# Altium PCB MCU.PcbDoc (part 2 of 2)
Units mm, origin at the board's own origin, x right, y up, seen from the top; angles counter-clockwise.
Board outline 133.25 x 64.9 mm, 2 copper layers (Top Layer, Bottom Layer); 121 components, 111 nets, 596 pads, 405 vias.
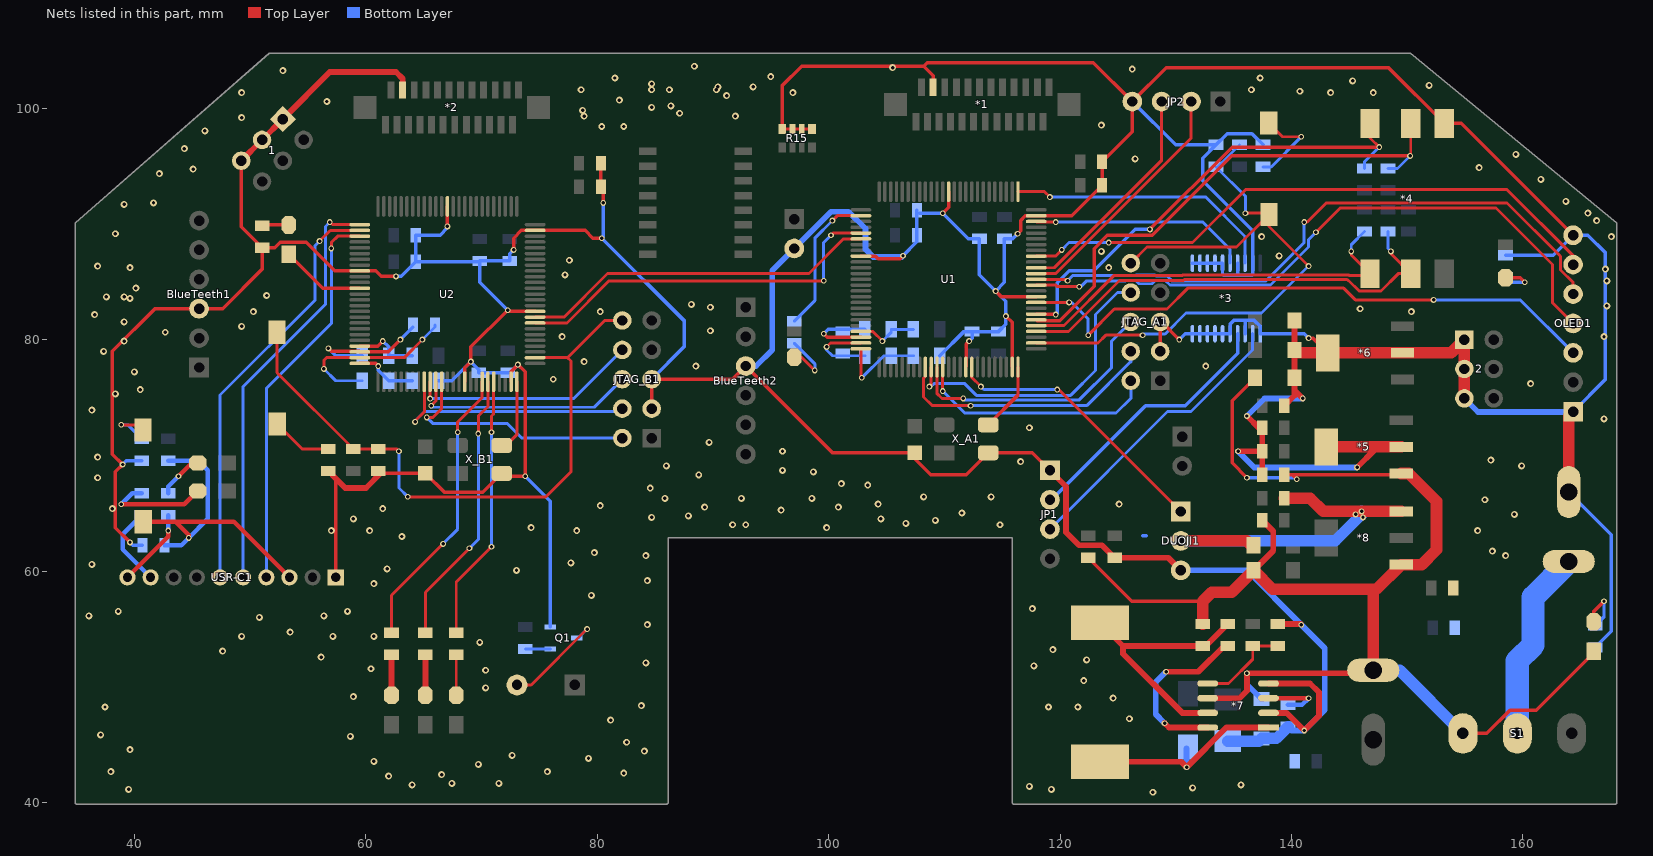
[diagram p2: the nets of this part, all layers, seen from the top]

## Via types
v1: diameter 0.6, hole 0.3, Top Layer to Bottom Layer, tented both sides, 235 vias
v2: diameter 0.5, hole 0.3, Top Layer to Bottom Layer, tented both sides, 165 vias
v3: diameter 4.5, hole 4, Top Layer to Bottom Layer, tented both sides, 3 vias
v4: diameter 1.5, hole 1.3, Top Layer to Bottom Layer, tented both sides, 2 vias

## Nets (pads, with @x,y where several pads share a name; then routed paths per layer and width w, separated by ;. In a path a pad name is that pad's centre, name@x,y a point inside that pad or via, vN(x,y) a via of type N, cw(c..) or ccw(c..) an arc to the next point about the centre after c; other vN are vias at no path point) (continued)
DGND: 1.1 1.3 1.5 2.1 2.3 2.5 *1.21 *2.21 *3.1 *3.3 *3.5 *3.6 *3.7 *3.8 *3.9 *3.10 *3.11 *3.12 *3.13 *3.14 *3.15 *3.17 *3.19 *4.4 *5.2 *6.2 *7.2 *7.4 BAT1.2 BlueTeeth1.3 BlueTeeth2.3 C2.1 C3.1 C4.1 C5.1 C6.1 C7.1 C9.1 C10.1 C12.1 C14.1 C15.1 C16.1 C17.1 C18.1 C19.1 C20.1 C21.1 C22.1 C23.2 C24.1 C25.1 C26.2 C27.1 C28.2 C29.2 C30.2 C31.2 DUOJI1.3 JP1.1 JP2.4 JP3.2 JTAG_A1.3 JTAG_A1.5 JTAG_B1.3 JTAG_B1.5 L3.1 L7.1 OLED1.1 OLED1.7 Q1.2 R1.2 R3.1 R5.1 R6.2 R8.1 R11.1 R12.1 R13.1 R14.1 R15.5 R15.6 R15.7 R15.8 R23.1 R31.1 R32.2 R33.1 R34.1 R35.1 U1.9 U1.41 U1.49 U1.60 U1.74 U1.88 U2.9 U2.41 U2.49 U2.60 U2.74 U2.88 USR-C1.1 X_A1.2 X_B1.2 | length 664.1
  Top Layer w0.3: v2(39.624,62.484) 38.342,63.766 38.342,66.013 38.354,66.025 38.354,68.58 v2(38.989,69.215) 38.1,70.104 38.1,78.994 41.783,82.677 BlueTeeth1.3@45.593,82.677 47.625,82.677 51.054,86.106 R6.2@51.054,87.95 ; 1.5@49.24,95.468 49.24,89.764 R6.2@51.054,87.95 ; USR-C1.1@57.404,59.461 57.404,68.011 ; C12.1@61.28,68.453 C14.1@65.151,68.453 66.802,66.802 70.104,66.802 X_B1.2@71.748,68.446 ; v2(62.611,85.471) 61.341,85.471 60.865,85.947 U2.9@59.481,85.947 57.309,85.947 54.848,88.408 52.593,88.408 52.135,87.95 R6.2@51.054,87.95 ; v2(67.056,89.789) U2.88@67.056,91.522 ; U2.41@68.556,76.371 68.556,77.573 v2(69.088,78.105) 69.088,79.375 v2(72.263,82.55) 72.366,82.447 U2.60@74.631,82.447 ; X_B1.2@71.75,68.446 71.997,68.199 v2(73.787,68.199) 73.787,77.216 v2(73.152,77.851) 72.556,77.255 U2.49@72.556,76.371 ; v2(72.771,87.757) 72.771,88.773 73.445,89.447 U2.74@74.631,89.447 78.955,89.447 79.629,88.773 v2(80.391,88.773) ; R13.1@80.325,95.25 R14.1@80.325,93.218 80.518,93.025 v2(80.518,91.821) ; JTAG_B1.3@84.709,74.041 JTAG_B1.5@84.709,76.581 91.694,76.581 BlueTeeth2.3@92.837,77.724 100.33,70.231 C10.1@107.442,70.231 107.442,69.723 108.839,68.326 111.889,68.326 X_A1.2@113.787,70.224 117.609,70.224 JP1.1@119.126,68.707 ; R15.5@98.562,98.209 R15.6@97.682,98.209 R15.7@96.882,98.209 R15.8@96.002,98.209 96.002,101.971 97.663,103.632 108.204,103.632 ; U1.9@102.788,87.217 104.045,87.217 104.267,86.995 106.172,86.995 v2(106.426,87.249) ; *1.21@109.034,101.83 109.034,102.802 108.204,103.632 ; v2(109.855,90.932) 110.363,91.44 U1.88@110.363,92.792 ; U1.41@111.887,77.689 111.887,79.629 v2(112.141,79.883) ; v2(114.427,84.201) 114.935,83.693 117.915,83.693 U1.60@117.938,83.717 ; v2(115.316,82.042) 115.863,81.495 U1.49@115.863,77.641 ; v2(116.332,89.154) 116.586,89.408 116.586,90.297 117.006,90.717 U1.74@117.938,90.717 121.004,90.717 R11.1@123.632,93.345 R12.1@123.632,95.377 126.238,97.983 JP2.4@126.238,100.584 ; JTAG_A1.3@128.651,78.994 JTAG_A1.5@128.651,81.534 128.778,81.534 v2(130.302,80.01) ; v2(141.478,80.137) 141.859,80.137 *6.2@143.129,78.867 ; OLED1.7@164.338,89.027 154.663,98.702 *4.4@153.187,98.702 148.384,103.505 129.159,103.505 JP2.4@126.238,100.584 ; 108.204,103.632 108.52,103.948 122.874,103.948 JP2.4@126.238,100.584
  Top Layer w0.5: 1.5@49.24,95.468 1.3@51.036,97.264 1.1@52.832,99.06 56.896,103.124 62.611,103.124 63.187,102.548 *2.21@63.187,101.576 ; R5.1@56.769,68.646 57.404,68.011 58.232,67.183 60.01,67.183 C12.1@61.28,68.453 ; JP1.1@119.126,68.707 120.523,67.31 120.523,63.355 121.64,62.238 123.629,62.238 R23.1@124.714,61.153 129.347,61.153 DUOJI1.3@130.429,60.071 ; v2(135.382,70.358) C25.1@137.48,70.358 ; v2(136.144,73.406) 137.16,72.39 C27.1@137.48,72.39 C25.1@137.48,70.358 ; C24.1@137.48,68.326 C25.1@137.48,70.358 ; *7.2@138.007,47.752 139.573,47.752 v2(141.097,46.228) 142.367,47.498 142.367,49.53 141.605,50.292 *7.4@138.007,50.292 ; R31.1@138.811,55.433 140.782,55.433 v2(140.843,55.372) ; C21.1@139.38,74.295 140.257,75.172 140.257,75.643 ; C28.2@140.257,81.661 C26.2@140.257,79.121 C23.2@140.257,76.708 140.257,75.643 ; v2(140.97,74.93) 140.257,75.643 ; v2(145.669,68.961) 147.193,70.485
  Top Layer w1: C26.2@140.511,78.867 *6.2@143.129,78.867 *6.2@149.606,78.867 153.797,78.867 2.1@154.94,80.01 2.3@154.94,77.47 2.5@154.94,74.93 ; *5.2@143.002,70.739 *5.2@149.479,70.739 ; BAT1.2@163.957,66.833 OLED1.1@163.957,73.406
  Bottom Layer w0.3: v2(38.989,69.215) 39.309,69.535 R8.1@40.64,69.535 ; v2(39.624,62.484) 39.878,62.23 C22.1@40.706,62.23 ; v2(62.611,85.471) 63.053,85.471 C20.1@64.323,86.741 ; L7.1@66.294,76.454 67.437,76.454 v2(69.088,78.105) 69.774,77.419 C16.1@69.774,77.155 C15.1@72.263,77.155 72.456,77.155 v2(73.152,77.851) ; v2(67.056,89.789) 67.056,89.662 66.421,89.027 C19.1@64.323,89.027 C20.1@64.323,86.741 ; C18.1@69.784,86.741 C20.1@64.323,86.741 ; v2(72.263,82.55) 69.85,84.963 C18.1@69.85,86.807 C17.1@72.441,86.807 72.441,87.427 v2(72.771,87.757) ; v2(73.787,68.199) 75.946,66.04 Q1.2@75.946,55.179 ; v2(80.518,91.821) 80.518,88.9 v2(80.391,88.773) 87.503,81.661 87.503,79.375 JTAG_B1.5@84.709,76.581 ; v2(106.426,87.249) 107.63,88.453 C2.1@107.63,89.027 C7.1@107.63,91.186 ; C7.1@107.884,90.932 v2(109.855,90.932) 112.075,88.712 C5.1@113.03,88.712 113.03,85.598 v2(114.427,84.201) ; L3.1@109.601,78.613 111.694,80.706 C3.1@112.395,80.706 ; v2(112.141,79.883) 112.395,80.137 C3.1@112.395,80.706 ; v2(116.332,89.154) 115.89,88.712 C6.1@115.189,88.712 115.189,84.963 v2(114.427,84.201) ; JP2.4@126.238,100.584 129.987,96.835 C9.1@133.477,96.835 ; 127.127,63.053 127.447,63.053 ; v2(130.302,80.01) 130.81,80.518 *3.10@131.437,80.518 *3.9@132.087,80.518 *3.8@132.737,80.518 *3.7@133.387,80.518 *3.6@134.037,80.518 *3.5@134.687,80.518 134.687,81.331 135.017,81.661 135.89,81.661 ; *3.11@131.437,86.618 *3.12@132.087,86.618 *3.13@132.737,86.618 *3.14@133.387,86.618 *3.15@134.037,86.618 134.037,85.673 134.124,85.586 135.481,85.586 ; *3.17@135.337,86.618 135.337,85.73 135.481,85.586 ; *3.3@135.987,80.518 135.987,81.564 135.89,81.661 ; R3.1@137.541,96.835 136.586,97.79 134.432,97.79 C9.1@133.477,96.835 ; v2(141.478,80.137) 141.097,80.518 *3.1@137.287,80.518 137.287,81.153 136.779,81.661 135.89,81.661 ; R1.2@158.496,87.31 162.621,87.31 OLED1.7@164.338,89.027 165.608,89.027 167.132,87.503 167.132,76.581 OLED1.1@164.338,73.787 ; BAT1.2@163.957,66.833 167.64,63.15 167.64,54.803 R32.2@166.243,53.406 ; C3.1@112.395,80.706 C4.1@114.681,80.706 115.316,81.341 v2(115.316,82.042) 115.316,83.312 v2(114.427,84.201) ; C9.1@133.477,96.835 132.334,95.692 132.334,93.726 136.637,89.423 *3.19@136.637,86.618 136.637,85.613 136.61,85.586 135.481,85.586
  Bottom Layer w0.5: BlueTeeth2.3@92.837,77.724 93.726,77.724 95.123,79.121 95.123,85.979 JP3.2@97.028,87.884 100.203,91.059 101.727,91.059 103.188,89.599 103.188,87.82 103.859,87.149 106.326,87.149 v2(106.426,87.249) ; DUOJI1.3@130.429,60.071 136.144,60.071 v2(140.843,55.372) 142.875,53.34 142.875,48.006 v2(141.097,46.228) C30.2@140.02,46.228 ; v2(135.382,70.358) 136.779,68.961 v2(145.669,68.961) ; v2(136.144,73.406) 137.668,74.93 v2(140.97,74.93) ; 2.5@154.94,74.93 156.11,73.76 164.338,73.76 OLED1.1@164.338,73.787
  Bottom Layer w1: C29.2@134.493,45.317 C31.2@137.187,45.317 ; C31.2@137.414,45.544 138.696,45.544 C30.2@139.7,46.548
  other v1: 128.016,40.894 39.497,41.148 119.253,41.148 131.445,41.275 117.348,41.402 64.008,41.529 135.636,41.529 67.437,41.656 71.501,41.656 61.976,42.291 66.548,42.418 82.296,42.545 37.973,42.672 75.692,42.672 69.723,43.307 60.706,43.561 79.248,43.815 72.644,44.069 84.074,44.45 39.624,44.577 82.55,45.212 58.674,45.72 37.084,45.847 81.153,47.117 125.984,47.244 37.465,48.26 118.999,48.26 121.539,48.26 83.82,48.387 124.587,49.022 58.928,49.149 70.358,49.911 122.047,50.546 70.358,51.435 60.452,51.562 117.729,51.816 84.201,52.07 122.301,52.324 56.134,52.578 47.625,53.086 119.38,53.213 69.85,53.848 49.276,54.356 57.15,54.356 60.706,54.356 53.467,54.737 84.328,55.372 50.8,56.007 36.068,56.134 56.388,56.134 38.608,56.515 58.42,56.515 117.602,56.769 79.502,57.912 79.502,57.912 60.706,58.928 84.328,59.182 73.025,60.071 61.849,60.198 36.322,60.579 77.724,60.706 84.201,61.341 158.496,61.341 79.756,61.595 157.353,61.722 63.119,62.992 57.023,63.5 60.325,63.5 78.232,63.5 156.083,63.5 74.295,63.754 99.822,63.754 91.694,64.008 92.837,64.008 114.808,64.008 106.68,64.135 109.22,64.389 58.928,64.516 104.521,64.516 84.709,64.643 87.884,64.77 159.258,64.897 111.506,65.024 95.885,65.278 38.1,65.405 61.468,65.405 89.281,65.532 100.838,65.532 80.264,65.659 104.267,65.786 125.095,65.786 156.718,66.167 85.852,66.294 92.456,66.294 98.552,66.294 108.204,66.421 114.046,66.421 84.582,67.183 103.378,67.437 101.092,67.564 36.83,68.072 88.773,68.326 98.679,68.58 96.012,68.707 85.979,69.088 159.893,69.088 116.586,69.469 157.226,69.596 36.83,69.85 96.012,70.358 89.662,71.12 117.348,72.39 167.005,73.152 36.322,73.914 38.354,75.311 40.513,75.692 160.655,76.2 76.2,76.581 40.005,77.216 88.519,77.724 132.588,77.724 78.867,78.105 37.338,78.994 39.116,79.883 76.962,80.264 167.005,80.264 42.672,80.645 89.789,80.772 49.276,81.153 39.116,81.534 36.576,82.169 50.292,82.423 80.264,82.423 150.368,82.423 145.923,82.677 89.789,82.804 167.259,82.931 88.138,83.058 39.624,83.566 37.592,83.693 39.116,83.693 51.435,83.82 40.132,84.455 167.259,85.09 77.216,85.598 167.132,86.106 39.624,86.233 124.206,86.233 36.83,86.36 77.597,86.868 138.938,87.249 123.571,87.63 137.414,88.9 167.64,88.9 38.354,89.154 166.37,90.297 165.608,90.932 39.116,91.694 41.656,91.821 163.703,91.948 161.544,93.853 42.164,94.361 45.085,94.742 156.21,94.869 126.492,95.631 159.385,96.012 44.323,96.52 46.101,98.044 80.391,98.425 82.296,98.425 123.571,98.552 49.276,99.187 78.867,99.314 91.948,99.314 87.122,99.568 78.74,99.822 84.709,100.076 86.36,100.203 56.642,100.584 81.915,100.711 91.186,101.092 49.276,101.346 96.901,101.346 143.383,101.346 147.066,101.346 140.716,101.473 78.613,101.6 84.709,101.6 86.233,101.6 90.297,101.6 136.525,101.6 90.424,101.854 93.472,101.854 151.892,101.981 84.709,102.108 145.288,102.362 81.534,102.616 137.287,102.616 94.996,102.743 52.832,103.251 126.238,103.378 105.537,103.505 88.392,103.632
ECM_A: JP2.2 U1.64 | length 21.4
  Top Layer w0.254: U1.64@117.938,85.717 119.626,85.717 131.318,97.409 JP2.2@131.318,100.584
ECM_B: JP2.3 U1.65 | length 19.8
  Top Layer w0.254: U1.65@117.938,86.217 119.491,86.217 128.778,95.504 JP2.3@128.778,100.584
EXTAL_A: U1.50 X_A1.3 | length 6.1
  Top Layer w0.3: X_A1.3@113.787,72.646 116.363,75.222 U1.50@116.363,77.641
EXTAL_B: U2.50 X_B1.3 | length 6.3
  Top Layer w0.254: X_B1.3@71.75,70.868 72.138,70.868 73.056,71.786 U2.50@73.056,76.371
L: *4.2 R17.2 U1.54 | length 39.7
  Top Layer w0.254: U1.54@117.938,80.717 120.722,80.717 125.126,85.121 130.65,85.121 130.739,85.21 144.808,85.21 144.897,85.121 144.934,85.121 145.85,84.205 147.724,84.205 149.221,85.702 *4.2@150.307,85.702 148.59,87.419 v2(148.59,87.63)
  Bottom Layer w0.254: R17.2@148.336,89.347 148.336,87.884 v2(148.59,87.63)
LED_1: R24.2 U1.2 | length 12.7
  Top Layer w0.254: v2(100.33,90.297) 100.75,90.717 U1.2@102.788,90.717
  Bottom Layer w0.254: R24.2@97.028,81.595 98.806,83.373 98.806,88.773 v2(100.33,90.297)
LED_4: R25.2 U2.44 | length 24.9
  Top Layer w0.254: R25.2@62.23,54.671 62.23,57.912 v2(66.675,62.357) ; v2(67.945,72.009) 67.945,72.898 70.056,75.009 U2.44@70.056,76.371
  Bottom Layer w0.254: v2(66.675,62.357) 67.945,63.627 v2(67.945,72.009)
LED_5: R26.2 U2.45 | length 23.9
  Top Layer w0.254: R26.2@65.151,54.671 65.151,58.166 v2(68.961,61.976) ; v2(69.723,71.882) 69.723,73.406 70.556,74.239 U2.45@70.556,76.371
  Bottom Layer w0.254: v2(68.961,61.976) 69.723,62.738 v2(69.723,71.882)
LED_6: R27.2 U2.46 | length 23
  Top Layer w0.254: R27.2@67.818,54.671 67.818,59.055 v2(70.866,62.103) ; v2(70.866,72.009) 70.866,73.406 71.056,73.596 U2.46@71.056,76.371
  Bottom Layer w0.254: v2(70.866,62.103) v2(70.866,72.009)
M: *4.6 R20.2 U1.57 | length 42
  Top Layer w0.254: *4.6@146.787,98.702 146.787,97.434 v2(147.574,96.647)
  Top Layer w0.3: U1.57@117.938,82.217 119.586,82.217 v2(119.634,82.169) ; v2(127.762,89.535) 134.874,96.647 v2(147.574,96.647)
  Bottom Layer w0.254: R20.2@146.304,94.803 146.304,95.377 v2(147.574,96.647)
  Bottom Layer w0.3: v2(119.634,82.169) 119.749,82.284 119.749,84.924 120.789,85.964 122.921,85.964 126.492,89.535 v2(127.762,89.535)
MOTOR1_IN1: *3.2 JP1.3 | length 25.3
  Bottom Layer w0.254: JP1.3@119.126,63.627 129.286,73.787 131.318,73.787 136.637,79.106 *3.2@136.637,80.518
MOTOR1_IN2: *3.4 JP1.2 | length 23.2
  Bottom Layer w0.3: JP1.2@119.126,66.04 127.381,74.295 130.81,74.295 135.337,78.822 *3.4@135.337,80.518
Net*7_1: *7.1 D1.1 L9.2 | length 17.8
  Top Layer w0.508: L9.2@123.444,43.53 130.46,43.53 v2(130.937,43.053) 134.366,46.482 *7.1@138.007,46.482
  Bottom Layer w0.508: v2(130.937,43.053) D1.1@130.937,44.676
Net*7_3: *7.3 C30.1 | length 5.5
  Top Layer w0.4: *7.3@138.007,49.022 v2(141.478,49.022)
  Bottom Layer w0.4: C30.1@139.7,48.448 140.904,48.448 v2(141.478,49.022)
Net*7_5: *7.5 R30.2 R31.2 | length 8.1
  Top Layer w0.254: *7.5@132.757,50.292 134.552,50.292 136.652,52.392 R30.2@136.652,53.533 R31.2@138.811,53.533
Net*7_7: *7.7 L9.1 R28.1 R29.2 | length 22.8
  Top Layer w0.5: L9.1@123.444,55.53 125.441,53.533 ; *7.7@132.757,47.752 130.556,47.752 125.441,52.867 125.441,53.533 ; R29.2@134.493,55.433 132.593,53.533 R28.1@132.334,53.533 125.441,53.533
Net*7_8: *7.8 R29.1 | length 15.3
  Top Layer w0.508: v2(129.032,46.863) 129.413,46.482 *7.8@132.757,46.482 ; v2(129.159,51.308) 131.953,51.308 134.178,53.533 R29.1@134.493,53.533
  Bottom Layer w0.508: v2(129.032,46.863) 128.27,47.625 128.27,50.419 v2(129.159,51.308)
NetB1_2: B1.2 Q1.3 | length 9.1
  Top Layer w0.254: B1.2@73.065,50.165 74.295,50.165 v2(79.121,54.991)
  Bottom Layer w0.254: Q1.3@78.359,54.229 v2(79.121,54.991)
NetBAT1_1: BAT1.1 S1.2 | length 16.7
  Bottom Layer w2: S1.2@159.512,45.974 159.512,52.246 160.87,53.604 160.87,57.746 BAT1.1@163.957,60.833
NetLED1_2: LED1.2 R1.1 | length 3.6
  Top Layer w0.3: LED1.2@158.496,85.344 159.766,85.344 v2(160.147,84.963)
  Bottom Layer w0.3: R1.1@158.496,85.41 158.943,84.963 v2(160.147,84.963)
NetLED2_2: LED2.2 R9.1 | length 9.2
  Top Layer w0.381: v2(38.862,65.786) 44.323,65.786 LED2.2@45.466,66.929
  Bottom Layer w0.381: v2(38.862,65.786) 39.812,66.736 R9.1@40.64,66.736
NetLED3_2: LED3.2 R10.1 | length 4
  Top Layer w0.381: v2(43.815,68.199) 44.958,69.342 LED3.2@45.466,69.342
  Bottom Layer w0.381: R10.1@42.926,66.736 42.926,67.31 v2(43.815,68.199)
NetLED4_2: LED4.2 R24.1 | length 5.3
  Top Layer w0.254: LED4.2@97.028,78.486 97.663,78.486 v2(98.806,77.343)
  Bottom Layer w0.254: R24.1@97.028,79.695 98.806,77.917 v2(98.806,77.343)
NetLED5_2: LED5.2 R25.1 | length 3.5
  Top Layer w0.508: LED5.2@62.23,49.276 R25.1@62.23,52.771
NetLED6_2: LED6.2 R26.1 | length 3.5
  Top Layer w0.508: LED6.2@65.151,49.276 R26.1@65.151,52.771
NetLED7_2: LED7.2 R27.1 | length 3.5
  Top Layer w0.254: LED7.2@67.818,49.276 R27.1@67.818,52.771
NetLED8_2: LED8.2 R32.1 | length 4.6
  Top Layer w0.3: LED8.2@166.116,55.626 166.116,56.515 v2(167.005,57.404)
  Bottom Layer w0.3: R32.1@166.243,55.306 167.005,56.068 v2(167.005,57.404)
NetPD1_K: PD1.2 R6.1 | length 2.2
  Top Layer w0.3: R6.1@51.12,89.916 PD1.2@53.34,89.916
NetQ1_1: Q1.1 R22.2 | length 2.2
  Bottom Layer w0.254: R22.2@73.787,53.279 Q1.1@75.946,53.279
NetR3_2: R3.2 SW1.1 | length 7.7
  Top Layer w0.254: SW1.1@138.029,98.738 139.231,97.536 v2(140.843,97.536)
  Bottom Layer w0.254: R3.2@137.541,94.935 138.242,94.935 v2(140.843,97.536)
NetR5_2: R5.2 SW2.1 | length 5.3
  Top Layer w0.254: SW2.1@52.344,72.712 54.51,70.546 R5.2@56.769,70.546
NetR8_2: R8.2 SW3.1 | length 3.7
  Top Layer w0.254: v2(38.862,72.644) SW3.1@40.298,72.644
  Bottom Layer w0.254: v2(38.862,72.644) 39.431,72.644 R8.2@40.64,71.435
OLED_D1: OLED1.4 U1.62 | length 56.3
  Top Layer w0.254: U1.62@117.938,84.717 119.626,84.717 119.761,84.582 v2(121.666,84.582) ; v2(142.113,89.281) 144.208,91.376 157.671,91.376 162.56,86.487 162.56,83.185 OLED1.4@164.338,81.407
  Bottom Layer w0.254: v2(121.666,84.582) 121.793,84.582 122.301,85.09 125.646,85.09 125.677,85.121 126.545,85.121 126.83,84.836 127.932,84.836 128.217,85.121 129.085,85.121 129.49,84.716 138.183,84.716 141.471,88.004 141.471,88.639 v2(142.113,89.281)
OLED_D2: OLED1.3 U1.59 | length 52.4
  Top Layer w0.254: U1.59@117.938,83.217 v2(120.777,83.217) ; v2(122.428,80.391) 124.69,82.653 129.24,82.653 131.042,84.455 144.505,84.455 145.514,83.446 152.266,83.446 v2(152.273,83.439)
  Bottom Layer w0.254: v2(120.777,83.217) 120.999,83.217 122.428,81.788 v2(122.428,80.391) ; v2(152.273,83.439) 159.766,83.439 OLED1.3@164.338,78.867
OLED_DC: OLED1.6 U1.67 | length 51.9
  Top Layer w0.254: U1.67@117.938,87.217 119.602,87.217 v2(120.142,87.757) ; v2(124.206,88.392) 131.445,88.392 136.017,92.964 158.623,92.964 164.338,87.249 OLED1.6@164.338,86.487
  Bottom Layer w0.254: v2(120.142,87.757) 120.777,88.392 v2(124.206,88.392)
OLED_RST: OLED1.5 U1.63 | length 55.2
  Top Layer w0.254: U1.63@117.938,85.217 120.523,85.217 v2(120.65,85.09) ; v2(141.097,90.17) 141.351,90.17 143.002,91.821 158.623,91.821 163.241,87.203 163.241,86.033 164.338,84.936 OLED1.5@164.338,83.947
  Bottom Layer w0.254: v2(120.65,85.09) 121.127,85.567 126.545,85.567 126.576,85.598 128.186,85.598 128.289,85.495 129.24,85.495 129.645,85.09 137.795,85.09 141.097,88.392 v2(141.097,90.17)
PWM1_1: *3.18 U1.76 | length 23.5
  Top Layer w0.254: U1.76@116.363,92.792 118.663,92.792 v2(119.126,92.329)
  Bottom Layer w0.254: v2(119.126,92.329) 132.588,92.329 135.987,88.93 *3.18@135.987,86.618
PWM1_2: *3.16 U1.73 | length 18.9
  Top Layer w0.254: U1.73@117.985,90.17 v2(119.634,90.17)
  Bottom Layer w0.254: v2(119.634,90.17) 132.334,90.17 134.687,87.817 *3.16@134.687,86.618
R: *4.5 R19.2 U1.56 | length 45.2
  Top Layer w0.254: v2(150.241,95.885) 150.307,95.951 *4.5@150.307,98.702
  Top Layer w0.3: U1.56@118.006,81.649 119.976,81.649 122.936,84.609 122.936,87.857 124.094,89.015 127.977,89.015 134.847,95.885 v2(150.241,95.885)
  Bottom Layer w0.254: R19.2@148.336,94.803 149.159,94.803 v2(150.241,95.885)
RESET_B_1: C9.2 JTAG_A1.10 R2.1 SW1.2 U1.52 | length 55.6
  Top Layer w0.254: U1.52@117.938,79.717 123.278,79.717 123.952,80.391 v2(127.127,80.391) ; JTAG_A1.10@126.111,86.614 127.508,88.011 135.255,88.011 SW1.2@138.049,90.805 138.049,89.789 v2(141.478,86.36) ; v2(136.017,90.932) SW1.2@137.922,90.932
  Bottom Layer w0.254: v2(127.127,80.391) 127.223,80.487 129.085,80.487 130.894,82.296 137.414,82.296 v2(141.478,86.36) ; R2.1@135.509,96.835 133.609,94.935 C9.2@133.477,94.935 136.017,92.395 v2(136.017,90.932)
RESET_B_2: C12.2 JTAG_B1.10 R4.1 SW2.2 U2.52 | length 55
  Top Layer w0.254: SW2.2@52.324,80.645 52.324,77.15 R4.1@58.928,70.546 C12.2@61.087,70.546 62.677,70.546 v2(62.865,70.358) ; v2(63.627,66.421) 63.643,66.405 75.549,66.405 77.724,68.58 77.724,78.154 77.431,78.447 ; U2.52@74.631,78.447 77.431,78.447 ; JTAG_B1.10@82.169,81.661 80.645,81.661 77.431,78.447
  Bottom Layer w0.254: v2(62.865,70.358) 62.865,67.183 v2(63.627,66.421)
STEER_5V: *8.3 C34.2 C35.1 DUOJI1.2 | length 33.9
  Top Layer w0.5: C35.1@136.525,62.23 C35.1@136.73,62.23
  Top Layer w1: DUOJI1.2@130.429,62.611 136.144,62.611 C35.1@136.525,62.23 ; C34.2@139.38,66.294 141.605,66.294 142.734,65.165 *8.3@149.479,65.165
  Bottom Layer w1: DUOJI1.2@130.429,62.611 143.764,62.611 146.05,64.897 v2(146.05,65.165)
  other v2: 146.177,64.643 145.542,64.897
STEERING: DUOJI1.1 U1.42 | length 23.8
  Top Layer w0.254: U1.42@112.363,77.641 112.363,76.74 v2(113.157,75.946) ; v2(119.761,75.692) 119.888,75.692 DUOJI1.1@130.429,65.151
  Bottom Layer w0.254: v2(113.157,75.946) 113.411,75.692 v2(119.761,75.692)
TCK_A: JTAG_A1.4 U1.34 | length 23.3
  Top Layer w0.254: U1.34@108.363,77.641 108.363,76.83 108.204,76.671 108.204,75.057 108.966,74.295 v2(112.268,74.295)
  Bottom Layer w0.254: v2(112.268,74.295) 122.301,74.295 126.111,78.105
  Bottom Layer w0.3: 126.111,78.105 JTAG_A1.4@126.111,78.994
TCK_B: JTAG_B1.4 U2.34 | length 22.2
  Top Layer w0.254: v2(64.262,72.898) 64.262,72.966 65.056,73.76 U2.34@65.056,76.371
  Bottom Layer w0.254: v2(64.262,72.898) 64.262,72.966 65.083,73.787 81.915,73.787 JTAG_B1.4@82.169,74.041
TDI_A: JTAG_A1.8 U1.35 | length 26.2
  Top Layer w0.254: v2(108.712,75.946) 108.863,76.097 U1.35@108.863,77.641
  Bottom Layer w0.254: v2(108.712,75.946) 108.839,75.946 109.093,76.2 111.76,76.2 112.765,75.195 120.915,75.195 123.063,77.343 123.063,82.169 124.968,84.074 JTAG_A1.8@126.111,84.074
TDI_B: JTAG_B1.8 U2.35 | length 19.9
  Top Layer w0.254: v2(65.553,74.915) 65.556,74.918 U2.35@65.556,76.371
  Bottom Layer w0.254: v2(65.553,74.915) 65.547,74.915 65.532,74.93 77.978,74.93 JTAG_B1.8@82.169,79.121
TDO_A: JTAG_A1.6 U1.36 | length 23.4
  Top Layer w0.254: U1.36@109.347,77.625 109.347,75.37 109.787,74.93 v2(111.633,74.93)
  Bottom Layer w0.254: v2(111.633,74.93) 111.76,74.803 121.666,74.803 124.46,77.597 124.46,79.883 JTAG_A1.6@126.111,81.534
TDO_B: JTAG_B1.6 U2.36 | length 19.9
  Top Layer w0.254: v2(65.659,74.295) 66.056,74.692 U2.36@66.056,76.371
  Bottom Layer w0.254: v2(65.659,74.295) 65.659,74.168 65.666,74.161 79.749,74.161 JTAG_B1.6@82.169,76.581
TMS_A: JTAG_A1.2 U1.37 | length 21.2
  Top Layer w0.254: v2(109.855,75.565) U1.37@109.855,77.633
  Bottom Layer w0.254: v2(109.855,75.565) 111.76,73.66 124.841,73.66 126.111,74.93 JTAG_A1.2@126.111,76.454
TMS_B: JTAG_B1.2 U2.37 | length 21.5
  Top Layer w0.254: v2(65.278,73.279) 65.786,73.279 66.556,74.049 U2.37@66.556,76.371
  Bottom Layer w0.254: v2(65.278,73.279) 65.786,72.771 72.204,72.771 73.474,71.501 JTAG_B1.2@82.169,71.501
U: *4.1 R16.2 U1.55 | length 35.6
  Top Layer w0.254: U1.55@117.938,81.217 120.333,81.217 124.683,85.567 130.567,85.567 130.584,85.584 144.963,85.584 144.98,85.567 146.787,85.567 *4.1@146.787,85.702 145.161,87.328 v2(145.161,87.63)
  Bottom Layer w0.254: v2(145.161,87.63) 145.161,88.204 R16.2@146.304,89.347
UART_RX: U1.6 U2.59 | length 31
  Top Layer w0.254: U2.59@74.631,81.947 77.121,81.947 80.899,85.725 98.298,85.725 101.29,88.717 U1.6@102.788,88.717
UART_TX: U1.5 U2.58 | length 33.3
  Top Layer w0.254: U2.58@74.631,81.447 77.383,81.447 81.026,85.09 v2(99.568,85.09) ; v2(100.203,89.027) 100.393,89.217 U1.5@102.788,89.217
  Bottom Layer w0.254: v2(99.568,85.09) 99.568,88.392 v2(100.203,89.027)
VBAT: *5.1 *7.6 *8.1 C23.1 C24.2 C31.1 C32.1 C33.2 LED8.1 MT_BAT1.1 R21.1 R28.2 S1.1 | length 122.6
  Top Layer w0.3: R21.1@122.428,61.153 126.177,57.404 132.334,57.404 ; v2(136.144,68.072) 134.862,69.354 134.862,74.713 C23.1@136.857,76.708 ; C24.2@139.38,68.326 140.081,68.326 ; v2(140.462,67.945) 140.081,68.326 ; *5.1@149.366,68.326 140.081,68.326 ; S1.1@154.812,45.974 156.862,45.974 158.882,47.994 161.151,47.994 LED8.1@166.116,52.959
  Top Layer w0.5: *7.6@132.757,49.022 135.509,49.022 136.144,49.657 v2(136.144,51.181) MT_BAT1.1@146.812,51.181 ; C32.1@136.73,60.071 138.43,61.771 138.43,63.439 C33.2@137.48,64.389
  Top Layer w1: R28.2@132.334,55.433 132.334,57.404 133.096,58.166 134.825,58.166 C32.1@136.73,60.071 138.381,58.42 147.334,58.42 *8.1@149.479,60.565 151.243,60.565 152.527,61.849 152.527,66.04 150.128,68.439 *5.1@149.479,68.439 ; MT_BAT1.1@147.066,51.435 147.066,58.152
  Bottom Layer w0.3: v2(136.144,68.072) 140.335,68.072 v2(140.462,67.945)
  Bottom Layer w0.5: v2(136.144,51.181) 136.144,50.214 C31.1@137.414,48.944
  Bottom Layer w1: 149.351,51.435 S1.1@154.812,45.974
VDDA_A: L1.2 L2.1 U1.22 | length 5.4
  Top Layer w0.254: U1.22@102.788,80.717 103.814,80.717 v2(104.648,79.883)
  Bottom Layer w0.254: v2(104.648,79.883) 105.41,80.645 L2.1@105.41,80.899 L1.2@107.315,80.899
VDDA_B: L5.2 L6.1 U2.22 | length 5.7
  Top Layer w0.3: U2.22@59.481,79.447 61.032,79.447 v2(61.468,79.883)
  Bottom Layer w0.3: v2(61.468,79.883) 61.976,79.375 L6.1@61.976,78.613 L5.2@64.008,78.613
VOUT33: PD1.1 U2.12 | length 7.4
  Top Layer w0.3: PD1.1@53.34,87.376 56.269,84.447 U2.12@59.481,84.447
VREFH_A: C1.2 L2.2 U1.23 | length 7.1
  Top Layer w0.3: v2(99.568,80.518) 99.869,80.217 U1.23@102.788,80.217
  Bottom Layer w0.3: v2(99.568,80.518) 99.949,80.899 L2.2@103.124,80.899
VREFH_B: C11.2 L6.2 U2.23 | length 11.4
  Top Layer w0.3: v2(56.769,79.248) 57.023,78.994 U2.23@59.433,78.994 ; U2.23@59.481,78.947 61.929,78.947 v2(62.992,80.01)
  Bottom Layer w0.3: v2(56.769,79.248) 57.404,78.613 L6.2@59.69,78.613 ; v2(62.992,80.01) C11.2@64.074,81.092
VREFL_A: C1.1 L4.2 U1.24 | length 6.9
  Top Layer w0.254: v2(99.822,79.375) 100.164,79.717 U1.24@102.788,79.717
  Bottom Layer w0.254: v2(99.822,79.375) 99.822,79.121 100.33,78.613 L4.2@103.124,78.613
VREFL_B: C11.1 L8.2 U2.24 | length 15.4
  Top Layer w0.254: v2(56.388,77.47) 56.388,78.232 56.603,78.447 U2.24@59.481,78.447 63.334,78.447 v2(64.897,80.01)
  Bottom Layer w0.254: v2(56.388,77.47) 57.404,76.454 L8.2@59.69,76.454 ; v2(64.897,80.01) 65.974,81.087 C11.1@65.974,81.28
VSSA_A: L3.2 L4.1 U1.25 | length 7.8
  Top Layer w0.254: U1.25@102.788,79.217 102.788,76.79 v2(102.87,76.708)
  Bottom Layer w0.254: v2(102.87,76.708) 104.775,78.613 L4.1@105.41,78.613 L3.2@107.315,78.613
VSSA_B: L7.2 L8.1 U2.25 | length 5.4
  Top Layer w0.3: U2.25@59.481,77.947 60.864,77.947 v2(61.087,77.724)
  Bottom Layer w0.3: v2(61.087,77.724) 61.087,77.343 L8.1@61.976,76.454 L7.2@64.008,76.454
WIFI_LK: R10.2 USR-C1.10 | length 6.8
  Top Layer w0.381: USR-C1.10@39.404,59.461 42.926,62.983 v2(42.926,63.5)
  Bottom Layer w0.381: v2(42.926,63.5) R10.2@42.926,64.836
WIFI_RD: R9.2 USR-C1.9 | length 7.1
  Bottom Layer w0.381: R9.2@40.64,64.836 38.989,63.185 38.989,61.876 USR-C1.9@41.404,59.461
WIFI_RL: C22.2 R7.1 SW3.2 USR-C1.3 | length 29.2
  Top Layer w0.381: SW3.2@40.767,64.262 43.561,64.262 ; v2(44.704,62.865) 44.704,63.119 43.561,64.262 ; USR-C1.3@53.404,59.461 48.603,64.262 43.561,64.262
  Bottom Layer w0.381: C22.2@42.606,62.23 44.069,62.23 v2(44.704,62.865) 46.355,64.516 46.355,68.707 45.527,69.535 R7.1@42.926,69.535
WIFI_RST: U2.3 USR-C1.4 | length 33.9
  Top Layer w0.254: v2(57.023,87.884) 57.023,88.392 57.578,88.947 U2.3@59.481,88.947
  Bottom Layer w0.254: USR-C1.4@51.404,59.461 51.404,75.788 57.023,81.407 v2(57.023,87.884)
WIFI_RX: U2.1 USR-C1.5 | length 36.5
  Top Layer w0.254: v2(56.896,90.17) 57.119,89.947 U2.1@59.481,89.947
  Bottom Layer w0.254: USR-C1.5@49.404,59.461 49.404,75.947 56.515,83.058 56.515,89.789 v2(56.896,90.17)
WIFI_TX: U2.2 USR-C1.6 | length 36.5
  Top Layer w0.254: v2(56.007,88.519) 56.935,89.447 U2.2@59.481,89.447
  Bottom Layer w0.254: USR-C1.6@47.404,59.461 47.404,75.217 55.626,83.439 55.626,88.138 v2(56.007,88.519)
pads on no net: *1.0 *1.1 *1.2 *1.3 *1.5 *1.7 *1.8 *1.9 *1.10 *1.23 *1.24 *2.0 *2.1 *2.2 *2.3 *2.5 *2.7 *2.8 *2.9 *2.10 *2.23 *2.24 BlueTeeth1.1 BlueTeeth1.6 BlueTeeth2.1 BlueTeeth2.6 JTAG_A1.7 JTAG_A1.9 JTAG_B1.7 JTAG_B1.9 S1.3 SW4.5 SW4.6 SW4.7 SW4.8 SW4.9 SW4.10 SW4.11 SW4.12 U1.3 U1.4 U1.7 U1.10 U1.11 U1.12 U1.13 U1.14 U1.15 U1.16 U1.17 U1.18 U1.19 U1.20 U1.21 U1.26 U1.27 U1.28 U1.29 U1.30 U1.33 U1.38 U1.39 U1.43 U1.44 U1.45 U1.46 U1.47 U1.51 U1.66 U1.68 U1.69 U1.70 U1.71 U1.72 U1.77 U1.78 U1.79 U1.92 U1.95 U1.96 U2.4 U2.5 U2.6 U2.7 U2.10 U2.11 U2.13 U2.14 U2.15 U2.16 U2.17 U2.18 U2.19 U2.20 U2.21 U2.26 U2.27 U2.28 U2.29 U2.30 U2.31 U2.32 U2.33 U2.38 U2.42 U2.43 U2.47 U2.51 U2.53 U2.54 U2.55 U2.56 U2.57 U2.62 U2.63 U2.64 U2.65 U2.66 U2.67 U2.68 U2.69 U2.70 U2.71 U2.72 U2.73 U2.76 U2.77 U2.78 U2.79 U2.92 U2.97 U2.98 U2.99 U2.100 USR-C1.7 USR-C1.8 X_A1.1 X_B1.1
copper on no net:
  other v3: 44,55 157.5,55 100.75,101
  other v4: 152.187,90.202 152.187,94.202

## Polygon pours and split planes (outlines as drawn)
DGND on Top Layer "Top Layer-No Net" (hatched 90Degree grid 0.508 track 0.26, remove dead copper, pour order 4): 35,39.873 85.979,39.873 ccw(c85.979,40) 85.99,39.873 ccw(c86,40) 86.127,40 86.127,62.873 115.873,62.873 115.873,40 ccw(c116,40) 116,39.873 168,39.873 ccw(c168,40) 168.127,40 168.127,90 ccw(c168,90) 168.081,90.098 150.294,104.746 cw(c150.213,104.648) 150.294,104.746 ccw(c150.213,104.648) 150.213,104.775 51.741,104.775 ccw(c51.741,104.648) 51.657,104.744 34.916,90.096 ccw(c35,90) 34.873,90 34.873,40 ccw(c35,40)
AGND on Top Layer "Top Layer-No Net2" (hatched 90Degree grid 0.508 track 0.26, remove dead copper, pour order 6): 35,39.873 85.979,39.873 ccw(c85.979,40) 85.99,39.873 ccw(c86,40) 86.127,40 86.127,62.873 115.873,62.873 115.873,40 ccw(c116,40) 116,39.873 168,39.873 ccw(c168,40) 168.127,40 168.127,90 ccw(c168,90) 168.081,90.098 150.294,104.746 cw(c150.213,104.648) 150.294,104.746 ccw(c150.213,104.648) 150.213,104.775 51.741,104.775 ccw(c51.741,104.648) 51.657,104.744 34.916,90.096 ccw(c35,90) 34.873,90 34.873,40 ccw(c35,40)
DGND on Bottom Layer "Top Layer-No Net1" (hatched 90Degree grid 0.508 track 0.26, remove dead copper, pour order 5): 35,39.873 85.979,39.873 ccw(c85.979,40) 85.99,39.873 ccw(c86,40) 86.127,40 86.127,62.873 115.873,62.873 115.873,40 ccw(c116,40) 116,39.873 168,39.873 ccw(c168,40) 168.127,40 168.127,90 ccw(c168,90) 168.081,90.098 150.294,104.746 cw(c150.213,104.648) 150.294,104.746 ccw(c150.213,104.648) 150.213,104.775 51.741,104.775 ccw(c51.741,104.648) 51.657,104.744 34.916,90.096 ccw(c35,90) 34.873,90 34.873,40 ccw(c35,40)
AGND on Bottom Layer "Top Layer-No Net3" (hatched 90Degree grid 0.508 track 0.26, remove dead copper, pour order 7): 35,39.873 85.979,39.873 ccw(c85.979,40) 85.99,39.873 ccw(c86,40) 86.127,40 86.127,62.873 115.873,62.873 115.873,40 ccw(c116,40) 116,39.873 168,39.873 ccw(c168,40) 168.127,40 168.127,90 ccw(c168,90) 168.081,90.098 150.294,104.746 cw(c150.213,104.648) 150.294,104.746 ccw(c150.213,104.648) 150.213,104.775 51.741,104.775 ccw(c51.741,104.648) 51.657,104.744 34.916,90.096 ccw(c35,90) 34.873,90 34.873,40 ccw(c35,40)

## Other copper
Top Layer:
  text "华南理工大学" at 40.894,48.895 h3
  text "华工奔雷队" at 42.291,45.339 h3
  text "2017.7.17" at 41.275,42.164 h2

## Silkscreen, mask and mechanical layers (free items; w line width, h text height)
Top Overlay:
  rectangle: 129.921,80.772 130.683,82.423
  rectangle: 85.979,75.819 86.741,77.47
  lines w0.254: 85.979,40 35,40 35,90 51.741,104.648 150.213,104.648 168,90 168,40 116,40 116,63 86,63 86,40 ; 49.784,85.852 49.784,91.694 50.038,91.694 54.864,91.694 54.864,85.852 49.784,85.852 ; 55.372,67.31 55.499,67.183 62.484,67.183 62.484,71.628 62.357,71.755 55.372,71.755 55.372,67.31 ; 60.833,45.085 69.342,45.085 69.342,55.88 60.833,55.88 60.833,55.626 60.833,45.085 ; 63.881,66.802 73.406,66.802 73.406,72.263 63.881,72.263 63.881,66.802 ; 76.962,91.821 76.962,96.52 81.788,96.52 81.788,91.821 76.962,91.821 ; 106.045,68.707 106.045,73.914 115.57,73.914 115.57,68.707 106.045,68.707 ; 120.523,91.948 120.523,96.774 124.968,96.774 124.968,91.948 120.523,91.948 ; 121.158,59.944 121.158,64.262 121.412,64.262 125.984,64.262 125.984,59.944 121.158,59.944 ; 130.937,52.324 130.937,56.642 140.208,56.642 140.208,52.324 130.937,52.324
  text "1" at 73.66,103.632 h1 r90
  text "1" at 119.507,103.505 h1 r90
  text "GND" at 125.095,102.87 h1
  text "B" at 128.524,102.87 h1
  text "A" at 131.064,102.87 h1
  text "5V" at 133.223,102.87 h1
  text "GND" at 48.641,97.536 h1.2 r45
  text "24" at 107.95,95.25 h1 r90
  text "24" at 62.103,94.996 h1 r90
  text "3.3V" at 53.721,92.202 h1.2 r45
  text "CRT" at 95.631,92.202 h1.2
  text "CS" at 167.132,88.265 h1 r90
  text "RXD" at 39.624,86.995 h1.5
  text "TXD" at 39.624,84.455 h1.5
  text "GND" at 39.624,82.042 h1.5
  text "VCC" at 88.138,79.756 h1.2
  text "VCC" at 39.624,79.502 h1.5
  text "GND" at 88.138,77.089 h1.2
  text "5V" at 160.401,76.581 h1 r90
  text "GND" at 153.162,76.2 h1 r90
  text "TXD" at 88.138,74.422 h1.2
  text "GND" at 167.386,72.517 h1 r90
  text "*" at 60.706,72.009 h1 r270
  text "RXD" at 88.138,72.009 h1.2
  text "5V" at 128.524,70.993 h1 r90
  text "LK" at 49.911,68.707 h1.5
  text "G" at 117.475,68.453 h1 r90
  text "GND" at 128.524,67.818 h1 r90
  text "RD" at 49.911,66.294 h1.5
  text "M2" at 117.475,65.532 h1 r90
  text "ST" at 128.524,64.389 h1 r90
  text "SCUT" at 76.962,63.881 h2
  text "M1" at 117.475,63.119 h1 r90
  text "5V" at 128.778,61.849 h1 r90
  text "12V" at 117.475,59.944 h1 r90
  text "G" at 128.778,59.817 h1 r90
Bottom Overlay:
  text "*" at 133.985,93.091 h1 r90
  text "*" at 101.6,81.788 h1 r90
  text "*" at 62.992,81.026 h1 r90
  text "*" at 43.942,61.976 h1 r270